# Altium PCB JTAG批量下载板-V1.6-ASCII.PcbDoc (part 7 of 14)
Units mil, origin at the board's own origin, x right, y up, seen from the top; angles counter-clockwise.
Board outline 7947.6 x 7007.76 mil, 2 copper layers (Top Layer, Bottom Layer); 207 components, 340 nets, 1329 pads, 792 vias.
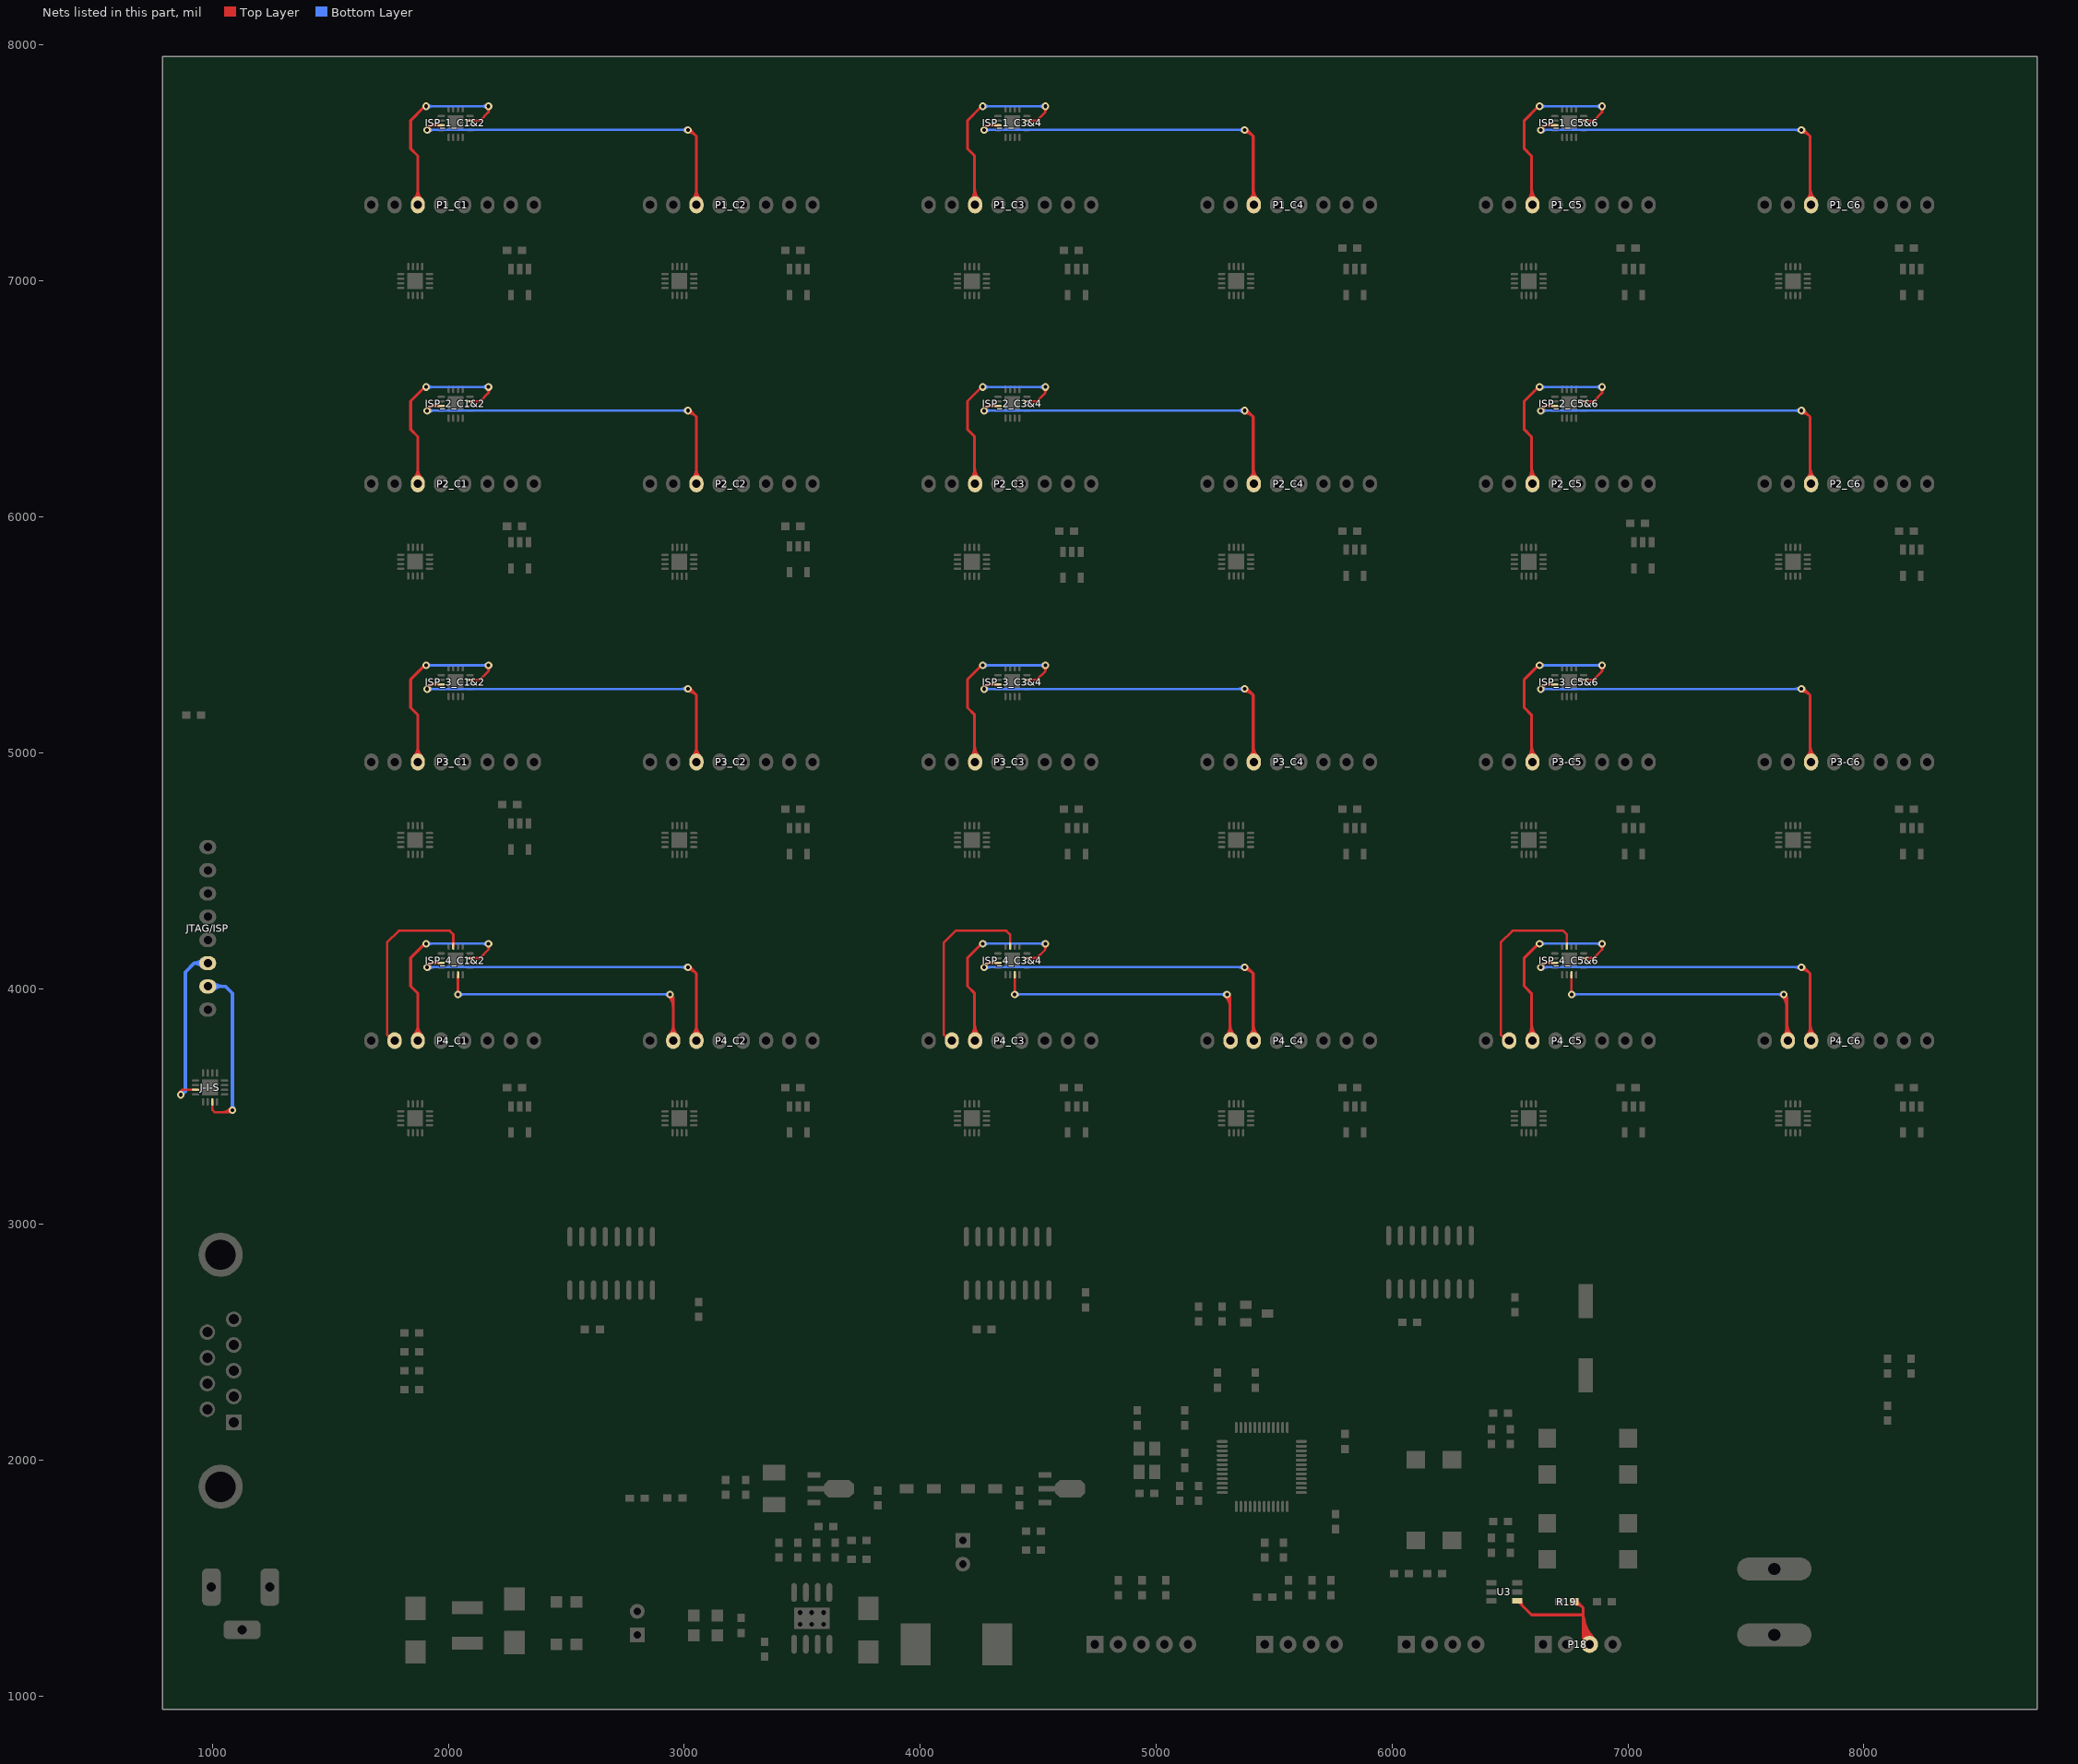
[diagram p7: the nets of this part, all layers, seen from the top]

## Via types
v1: diameter 32, hole 16, Top Layer to Bottom Layer, 721 vias
v2: diameter 50, hole 28, Top Layer to Bottom Layer, 45 vias
v3: diameter 40, hole 20, Top Layer to Bottom Layer, 26 vias

## Nets (pads, with @x,y where several pads share a name; then routed paths per layer and width w, separated by ;. In a path a pad name is that pad's centre, name@x,y a point inside that pad or via, vN(x,y) a via of type N, cw(c..) or ccw(c..) an arc to the next point about the centre after c; other vN are vias at no path point) (continued)
ISP_RXD_4_C1: ISP_4_C1&2.3 P4_C1.7 | length 793
  Top Layer w10: P4_C1.7@1771.65,3772.83 1740,3804.49 1740,4195.55 1790,4245.55 2005,4245.55 2020.63,4229.92 ISP_4_C1&2.3@2020.63,4180.55
ISP_RXD_4_C2: ISP_4_C1&2.11 P4_C2.7 | length 1490.4
  Top Layer w10: v1(2040.32,3975.55) ISP_4_C1&2.11@2040.32,4058.45
  Top Layer w12: v1@2932.93,3968.48 cw(c2885.06,3920.61) 2952.76,3920.61 ; P4_C2.7@2935.79,3802.5 ccw(c2894.81,3843.47) 2952.76,3843.47 ccw(c3010.7,3843.47) P4_C2.7@2969.73,3802.5 ; v1(2940,3975.55) 2952.76,3962.8 P4_C2.7@2952.76,3772.83 ; v1@2941.41,3976.97 cw(c2914.03,3949.58) 2952.76,3949.58
  Bottom Layer w10: v1(2040.32,3975.55) v1(2940,3975.55) ; v1@2932.22,3967.77 ccw(c2913.44,3948.99) 2913.44,3975.55 ccw(c2913.44,4002.11) v1@2932.22,3983.33 ; 2066.87,3975.55 cw(c2066.87,4002.11) 2048.09,3983.33 ccw(c2066.87,4002.11) 2066.87,3975.55 ; 2066.87,3975.55 ccw(c2066.87,3948.99) 2048.09,3967.77 cw(c2066.87,3948.99) 2066.87,3975.55
ISP_RXD_4_C3: ISP_4_C3&4.3 P4_C3.7 | length 793
  Top Layer w10: P4_C3.7@4131.65,3772.83 4100,3804.49 4100,4195.55 4150,4245.55 4365,4245.55 4380.63,4229.92 ISP_4_C3&4.3@4380.63,4180.55
ISP_RXD_4_C4: ISP_4_C3&4.11 P4_C4.7 | length 1519
  Top Layer w10: v1(4400.32,3975.55) ISP_4_C3&4.11@4400.32,4058.45
  Top Layer w12: v1@5292.93,3968.48 cw(c5245.06,3920.61) 5312.76,3920.61 ; P4_C4.7@5297.99,3802.5 ccw(c5262.34,3838.15) 5312.76,3838.15 ; v1(5300,3975.55) 5312.76,3962.8 P4_C4.7@5312.76,3772.83 ; v1@5301.41,3976.97 cw(c5274.03,3949.58) 5312.76,3949.58 ; 5312.76,3819.82 ccw(c5349.25,3819.82) P4_C4.7@5323.45,3794.01 ; 5312.76,3848.79 ccw(c5378.22,3848.79) P4_C4.7@5331.93,3802.5
  Bottom Layer w10: v1(4400.32,3975.55) v1(5300,3975.55) ; v1@5292.22,3967.77 ccw(c5273.44,3948.99) 5273.44,3975.55 ccw(c5273.44,4002.11) v1@5292.22,3983.33 ; 4426.87,3975.55 cw(c4426.87,4002.11) 4408.09,3983.33 ccw(c4426.87,4002.11) 4426.87,3975.55 ; 4426.87,3975.55 ccw(c4426.87,3948.99) 4408.09,3967.77 cw(c4426.87,3948.99) 4426.87,3975.55
ISP_RXD_4_C5: ISP_4_C5&6.3 P4_C5.7 | length 793
  Top Layer w10: P4_C5.7@6491.65,3772.83 6460,3804.49 6460,4195.55 6510,4245.55 6725,4245.55 6740.63,4229.92 ISP_4_C5&6.3@6740.63,4180.55
ISP_RXD_4_C6: ISP_4_C5&6.11 P4_C6.7 | length 1525
  Top Layer w10: v1(6760.32,3975.55) ISP_4_C5&6.11@6760.32,4058.45
  Top Layer w12: v1@7652.93,3968.48 cw(c7605.06,3920.61) 7672.76,3920.61 ; v1(7660,3975.55) 7672.76,3962.8 P4_C6.7@7672.76,3772.83 ; P4_C6.7@7660.19,3802.5 ccw(c7629.87,3832.82) 7672.76,3832.82 ; v1@7661.41,3976.97 cw(c7634.03,3949.58) 7672.76,3949.58 ; 7672.76,3825.14 ccw(c7716.78,3825.14) P4_C6.7@7685.65,3794.01 ; 7672.76,3854.11 ccw(c7745.75,3854.11) P4_C6.7@7694.14,3802.5
  Bottom Layer w10: v1(6760.32,3975.55) v1(7660,3975.55) ; v1@7652.22,3967.77 ccw(c7633.44,3948.99) 7633.44,3975.55 ccw(c7633.44,4002.11) v1@7652.22,3983.33 ; 6786.87,3975.55 cw(c6786.87,4002.11) 6768.09,3983.33 ccw(c6786.87,4002.11) 6786.87,3975.55 ; 6786.87,3975.55 ccw(c6786.87,3948.99) 6768.09,3967.77 cw(c6786.87,3948.99) 6786.87,3975.55
ISP_RXD_DL: J-I-S.3 JTAG/ISP.7 | length 1043.3
  Top Layer w10: J-I-S.3@999.37,3520 999.37,3485.63 1010,3475 1075,3475 v1(1085,3485) ; 1034.3,3475 ccw(c1034.3,3535.7) 1077.22,3492.78 cw(c1034.3,3535.7) 1034.3,3475 ; 1058.44,3475 ccw(c1058.44,3511.56) 1084.29,3485.71 cw(c1058.44,3511.56) 1058.44,3475
  Bottom Layer w15: JTAG/ISP.7@980,4009.45 1055.55,4009.45 1085,3980 v1(1085,3485) ; JTAG/ISP.7@1001.91,3993.54 cw(c1040.32,3955.13) 1040.32,4009.45 cw(c1040.32,4063.77) JTAG/ISP.7@1001.91,4025.36 ; 1085,3505.52 cw(c1064.48,3505.52) 1078.99,3491.01 ccw(c1064.48,3505.52) 1085,3505.52 ; 1085,3505.52 ccw(c1105.52,3505.52) 1091.01,3491.01 cw(c1105.52,3505.52) 1085,3505.52
ISP_TXD: P18.3 R19.1 U3.4 | length 2852.9
  Top Layer w12: U3.4@6530.24,1405.2 6590.43,1345 6810,1345 ; R19.1@6771.5,1400 6785,1400 6810,1375 6810,1246.85 P18.3@6836.85,1220 ; U3.4@6545.89,1405.2 ccw(c6583.68,1405.2) 6556.96,1378.47 ; U3.4@6545.89,1405.2 ccw(c6583.68,1405.2) 6556.96,1378.47 ; U3.4@6545.89,1405.2 ccw(c6583.68,1405.2) 6556.96,1378.47 ; U3.4@6545.89,1405.2 ccw(c6583.68,1405.2) 6556.96,1378.47 ; U3.4@6545.89,1405.2 ccw(c6583.68,1405.2) 6556.96,1378.47 ; R19.1@6773.46,1390.25 cw(c6773.46,1338.87) 6809.8,1375.2 ; R19.1@6773.46,1390.25 cw(c6773.46,1338.87) 6809.8,1375.2 ; R19.1@6773.46,1390.25 cw(c6773.46,1338.87) 6809.8,1375.2 ; R19.1@6773.46,1390.25 cw(c6773.46,1338.87) 6809.8,1375.2 ; R19.1@6773.46,1390.25 cw(c6773.46,1338.87) 6809.8,1375.2 ; R19.1@6773.46,1402.25 cw(c6773.46,1379.84) 6789.31,1395.69 ; R19.1@6773.46,1402.25 cw(c6773.46,1379.84) 6789.31,1395.69 ; R19.1@6773.46,1402.25 cw(c6773.46,1379.84) 6789.31,1395.69 ; R19.1@6773.46,1402.25 cw(c6773.46,1379.84) 6789.31,1395.69 ; R19.1@6773.46,1402.25 cw(c6773.46,1379.84) 6789.31,1395.69 ; 6810,1270.34 ccw(c6887.19,1270.34) P18.3@6832.61,1215.76 ; 6810,1270.34 ccw(c6887.19,1270.34) P18.3@6832.61,1215.76 ; 6810,1270.34 ccw(c6887.19,1270.34) P18.3@6832.61,1215.76 ; 6810,1270.34 ccw(c6887.19,1270.34) P18.3@6832.61,1215.76 ; 6810,1270.34 ccw(c6887.19,1270.34) P18.3@6832.61,1215.76 ; 6810,1299.31 ccw(c6916.16,1299.31) P18.3@6841.09,1224.24 ; 6810,1299.31 ccw(c6916.16,1299.31) P18.3@6841.09,1224.24 ; 6810,1299.31 ccw(c6916.16,1299.31) P18.3@6841.09,1224.24 ; 6810,1299.31 ccw(c6916.16,1299.31) P18.3@6841.09,1224.24 ; 6810,1299.31 ccw(c6916.16,1299.31) P18.3@6841.09,1224.24 ; 6810,1328.28 ccw(c6945.13,1328.28) P18.3@6849.58,1232.73 ; 6810,1328.28 ccw(c6945.13,1328.28) P18.3@6849.58,1232.73 ; 6810,1328.28 ccw(c6945.13,1328.28) P18.3@6849.58,1232.73 ; 6810,1328.28 ccw(c6945.13,1328.28) P18.3@6849.58,1232.73 ; 6810,1328.28 ccw(c6945.13,1328.28) P18.3@6849.58,1232.73 ; 6810,1357.25 ccw(c6974.1,1357.25) P18.3@6858.06,1241.21 ; 6810,1357.25 ccw(c6974.1,1357.25) P18.3@6858.06,1241.21 ; 6810,1357.25 ccw(c6974.1,1357.25) P18.3@6858.06,1241.21 ; 6810,1357.25 ccw(c6974.1,1357.25) P18.3@6858.06,1241.21 ; 6810,1357.25 ccw(c6974.1,1357.25) P18.3@6858.06,1241.21
ISP_TXD_1_C1: ISP_1_C1&2.15 P1_C1.6 | length 1081.9
  Top Layer w10: ISP_1_C1&2.15@2091.5,7679.37 2133.82,7679.37 2170,7715.55 ; v1(2170,7740.55) 2170,7715.55 ; 2170,7715.55 cw(c2192.91,7715.55) 2177.43,7732.44 ccw(c2192.91,7715.55) 2170,7715.55 ; 2170,7715.55 ccw(c2147.09,7715.55) 2162.57,7732.44 cw(c2147.09,7715.55) 2170,7715.55
  Top Layer w12: P1_C1.6@1853.11,7345.81 ccw(c1812.14,7386.78) 1870.08,7386.78 ccw(c1928.02,7386.78) P1_C1.6@1887.05,7345.81 ; P1_C1.6@1870.08,7322.83 1870.08,7530.47 1840,7560.55 1840,7680.55 v1@1895,7735.55
  Bottom Layer w10: v1(1905,7740.55) v1(2170,7740.55) ; v1@1912.78,7732.77 cw(c1931.56,7713.99) 1931.56,7740.55 cw(c1931.56,7767.11) v1@1912.78,7748.33 ; v1@2162.22,7732.77 ccw(c2143.44,7713.99) 2143.44,7740.55 ccw(c2143.44,7767.11) v1@2162.22,7748.33
ISP_TXD_1_C2: ISP_1_C1&2.7 P1_C2.6 | length 1782
  Top Layer w10: v1@1910,7645 1924.68,7659.69 ; ISP_1_C1&2.7@1969.45,7659.69 1924.68,7659.69 ; 1924.68,7659.68 ccw(c1936.41,7647.96) 1920.53,7643.17 cw(c1936.41,7647.96) 1924.68,7659.68 ; v1@1910,7651 ccw(c1910,7665.49) 1920.24,7655.24 cw(c1910,7665.49) v1@1910,7651
  Top Layer w12: v1(1910,7640) v1@1910,7645 ; v1@3015,7630.55 cw(c3015,7582.27) 3049.14,7616.41 ; v1@3020,7645.55 3051.18,7614.37 P1_C2.6@3051.18,7322.83 ; P1_C2.6@3034.21,7345.81 ccw(c2993.24,7386.78) 3051.18,7386.78 ccw(c3109.12,7386.78) P1_C2.6@3068.15,7345.81
  Bottom Layer w10: v1@1910,7640.55 v1(3015,7640.55) ; v1@1917.78,7632.22 cw(c1937.89,7612.11) 1937.89,7640.55 ; v1@1917.78,7647.78 ccw(c1935.23,7665.23) 1935.23,7640.55 ; v1@3007.22,7632.77 ccw(c2988.44,7613.99) 2988.44,7640.55 ccw(c2988.44,7667.11) v1@3007.22,7648.33
ISP_TXD_1_C3: ISP_1_C3&4.15 P1_C3.6 | length 1110.5
  Top Layer w10: ISP_1_C3&4.15@4451.5,7679.37 4493.82,7679.37 4530,7715.55 ; v1(4530,7740.55) 4530,7715.55 ; 4530,7715.55 cw(c4552.91,7715.55) 4537.43,7732.44 ccw(c4552.91,7715.55) 4530,7715.55 ; 4530,7715.55 ccw(c4507.09,7715.55) 4522.57,7732.44 cw(c4507.09,7715.55) 4530,7715.55
  Top Layer w12: P1_C3.6@4215.31,7345.81 ccw(c4179.66,7381.45) 4230.08,7381.45 ; P1_C3.6@4230.08,7322.83 4230.08,7530.47 4200,7560.55 4200,7680.55 v1@4255,7735.55 ; 4230.08,7363.13 ccw(c4266.58,7363.13) P1_C3.6@4240.77,7337.32 ; 4230.08,7392.1 ccw(c4295.55,7392.1) P1_C3.6@4249.25,7345.81
  Bottom Layer w10: v1(4265,7740.55) v1(4530,7740.55) ; v1@4272.78,7732.77 cw(c4291.56,7713.99) 4291.56,7740.55 cw(c4291.56,7767.11) v1@4272.78,7748.33 ; v1@4522.22,7732.77 ccw(c4503.44,7713.99) 4503.44,7740.55 ccw(c4503.44,7767.11) v1@4522.22,7748.33
ISP_TXD_1_C4: ISP_1_C3&4.7 P1_C4.6 | length 1810.7
  Top Layer w10: v1@4270,7645 4284.69,7659.69 ; ISP_1_C3&4.7@4329.45,7659.69 4284.69,7659.69 ; 4284.68,7659.68 ccw(c4296.41,7647.96) 4280.53,7643.17 cw(c4296.41,7647.96) 4284.68,7659.68 ; v1@4270,7651 ccw(c4270,7665.49) 4280.24,7655.24 cw(c4270,7665.49) v1@4270,7651
  Top Layer w12: v1(4270,7640) v1@4270,7645 ; v1@5375,7630.55 cw(c5375,7582.27) 5409.14,7616.41 ; v1@5380,7645.55 5411.18,7614.37 P1_C4.6@5411.18,7322.83 ; P1_C4.6@5396.42,7345.81 ccw(c5360.77,7381.45) 5411.18,7381.45 ; 5411.18,7363.13 ccw(c5447.68,7363.13) P1_C4.6@5421.87,7337.32 ; 5411.18,7392.1 ccw(c5476.65,7392.1) P1_C4.6@5430.36,7345.81
  Bottom Layer w10: v1@4270,7640.55 v1(5375,7640.55) ; v1@4277.78,7632.22 cw(c4297.89,7612.11) 4297.89,7640.55 ; v1@4277.78,7647.78 ccw(c4295.23,7665.23) 4295.23,7640.55 ; v1@5367.22,7632.77 ccw(c5348.44,7613.99) 5348.44,7640.55 ccw(c5348.44,7667.11) v1@5367.22,7648.33
ISP_TXD_1_C5: ISP_1_C5&6.15 P1_C5.6 | length 1116.4
  Top Layer w10: ISP_1_C5&6.15@6811.5,7679.37 6853.82,7679.37 6890,7715.55 ; v1(6890,7740.55) 6890,7715.55 ; 6890,7715.55 cw(c6912.91,7715.55) 6897.43,7732.44 ccw(c6912.91,7715.55) 6890,7715.55 ; 6890,7715.55 ccw(c6867.09,7715.55) 6882.57,7732.44 cw(c6867.09,7715.55) 6890,7715.55
  Top Layer w12: P1_C5.6@6577.52,7345.81 ccw(c6547.19,7376.13) 6590.08,7376.13 ; P1_C5.6@6590.08,7322.83 6590.08,7530.47 6560,7560.55 6560,7680.55 v1@6615,7735.55 ; 6590.08,7368.45 ccw(c6634.1,7368.45) P1_C5.6@6602.97,7337.32 ; 6590.08,7397.42 ccw(c6663.07,7397.42) P1_C5.6@6611.46,7345.81
  Bottom Layer w10: v1(6625,7740.55) v1(6890,7740.55) ; v1@6632.78,7732.77 cw(c6651.56,7713.99) 6651.56,7740.55 cw(c6651.56,7767.11) v1@6632.78,7748.33 ; v1@6882.22,7732.77 ccw(c6863.44,7713.99) 6863.44,7740.55 ccw(c6863.44,7767.11) v1@6882.22,7748.33
ISP_TXD_1_C6: ISP_1_C5&6.7 P1_C6.6 | length 1816.6
  Top Layer w10: v1@6630,7645 6644.69,7659.69 ; ISP_1_C5&6.7@6689.45,7659.69 6644.69,7659.69 ; 6644.68,7659.68 ccw(c6656.41,7647.96) 6640.53,7643.17 cw(c6656.41,7647.96) 6644.68,7659.68 ; v1@6630,7651 ccw(c6630,7665.49) 6640.24,7655.24 cw(c6630,7665.49) v1@6630,7651
  Top Layer w12: v1(6630,7640) v1@6630,7645 ; v1@7735,7630.55 cw(c7735,7582.27) 7769.14,7616.41 ; v1@7740,7645.55 7771.18,7614.37 P1_C6.6@7771.18,7322.83 ; P1_C6.6@7758.62,7345.81 ccw(c7728.29,7376.13) 7771.18,7376.13 ; 7771.18,7368.45 ccw(c7815.21,7368.45) P1_C6.6@7784.08,7337.32 ; 7771.18,7397.42 ccw(c7844.18,7397.42) P1_C6.6@7792.56,7345.81
  Bottom Layer w10: v1@6630,7640.55 v1(7735,7640.55) ; v1@6637.78,7632.22 cw(c6657.89,7612.11) 6657.89,7640.55 ; v1@6637.78,7647.78 ccw(c6655.23,7665.23) 6655.23,7640.55 ; v1@7727.22,7632.77 ccw(c7708.44,7613.99) 7708.44,7640.55 ccw(c7708.44,7667.11) v1@7727.22,7648.33
ISP_TXD_2_C1: ISP_2_C1&2.15 P2_C1.6 | length 1081.9
  Top Layer w10: ISP_2_C1&2.15@2091.5,6489.37 2133.82,6489.37 2170,6525.55 ; v1(2170,6550.55) 2170,6525.55 ; 2170,6525.55 cw(c2192.91,6525.55) 2177.43,6542.44 ccw(c2192.91,6525.55) 2170,6525.55 ; 2170,6525.55 ccw(c2147.09,6525.55) 2162.57,6542.44 cw(c2147.09,6525.55) 2170,6525.55
  Top Layer w12: P2_C1.6@1853.11,6162.97 ccw(c1812.14,6203.94) 1870.08,6203.94 ccw(c1928.02,6203.94) P2_C1.6@1887.05,6162.97 ; P2_C1.6@1870.08,6132.83 1870.08,6340.47 1840,6370.55 1840,6490.55 v1@1895,6545.55
  Bottom Layer w10: v1(1905,6550.55) v1(2170,6550.55) ; v1@1912.78,6542.77 cw(c1931.56,6523.99) 1931.56,6550.55 cw(c1931.56,6577.11) v1@1912.78,6558.33 ; v1@2162.22,6542.77 ccw(c2143.44,6523.99) 2143.44,6550.55 ccw(c2143.44,6577.11) v1@2162.22,6558.33
ISP_TXD_2_C2: ISP_2_C1&2.7 P2_C2.6 | length 1782
  Top Layer w10: v1@1910,6455 1924.68,6469.69 ; ISP_2_C1&2.7@1969.45,6469.69 1924.68,6469.69 ; 1924.68,6469.68 ccw(c1936.41,6457.96) 1920.53,6453.17 cw(c1936.41,6457.96) 1924.68,6469.68 ; v1@1910,6461 ccw(c1910,6475.49) 1920.24,6465.24 cw(c1910,6475.49) v1@1910,6461
  Top Layer w12: v1(1910,6450) v1@1910,6455 ; v1@3015,6440.55 cw(c3015,6392.27) 3049.14,6426.41 ; v1@3020,6455.55 3051.18,6424.37 P2_C2.6@3051.18,6132.83 ; P2_C2.6@3034.21,6162.97 ccw(c2993.24,6203.94) 3051.18,6203.94 ccw(c3109.12,6203.94) P2_C2.6@3068.15,6162.97
  Bottom Layer w10: v1@1910,6450.55 v1(3015,6450.55) ; v1@1917.78,6442.22 cw(c1937.89,6422.11) 1937.89,6450.55 ; v1@1917.78,6457.78 ccw(c1935.23,6475.23) 1935.23,6450.55 ; v1@3007.22,6442.77 ccw(c2988.44,6423.99) 2988.44,6450.55 ccw(c2988.44,6477.11) v1@3007.22,6458.33
ISP_TXD_2_C3: ISP_2_C3&4.15 P2_C3.6 | length 1110.5
  Top Layer w10: ISP_2_C3&4.15@4451.5,6489.37 4493.82,6489.37 4530,6525.55 ; v1(4530,6550.55) 4530,6525.55 ; 4530,6525.55 cw(c4552.91,6525.55) 4537.43,6542.44 ccw(c4552.91,6525.55) 4530,6525.55 ; 4530,6525.55 ccw(c4507.09,6525.55) 4522.57,6542.44 cw(c4507.09,6525.55) 4530,6525.55
  Top Layer w12: P2_C3.6@4215.31,6162.97 ccw(c4179.66,6198.62) 4230.08,6198.62 ; P2_C3.6@4230.08,6132.83 4230.08,6340.47 4200,6370.55 4200,6490.55 v1@4255,6545.55 ; 4230.08,6180.29 ccw(c4266.58,6180.29) P2_C3.6@4240.77,6154.49 ; 4230.08,6209.26 ccw(c4295.55,6209.26) P2_C3.6@4249.25,6162.97
  Bottom Layer w10: v1(4265,6550.55) v1(4530,6550.55) ; v1@4272.78,6542.77 cw(c4291.56,6523.99) 4291.56,6550.55 cw(c4291.56,6577.11) v1@4272.78,6558.33 ; v1@4522.22,6542.77 ccw(c4503.44,6523.99) 4503.44,6550.55 ccw(c4503.44,6577.11) v1@4522.22,6558.33
ISP_TXD_2_C4: ISP_2_C3&4.7 P2_C4.6 | length 1810.7
  Top Layer w10: v1@4270,6455 4284.69,6469.69 ; ISP_2_C3&4.7@4329.45,6469.69 4284.69,6469.69 ; 4284.68,6469.68 ccw(c4296.41,6457.96) 4280.53,6453.17 cw(c4296.41,6457.96) 4284.68,6469.68 ; v1@4270,6461 ccw(c4270,6475.49) 4280.24,6465.24 cw(c4270,6475.49) v1@4270,6461
  Top Layer w12: v1(4270,6450) v1@4270,6455 ; v1@5375,6440.55 cw(c5375,6392.27) 5409.14,6426.41 ; v1@5380,6455.55 5411.18,6424.37 P2_C4.6@5411.18,6132.83 ; P2_C4.6@5396.42,6162.97 ccw(c5360.77,6198.62) 5411.18,6198.62 ; 5411.18,6180.29 ccw(c5447.68,6180.29) P2_C4.6@5421.87,6154.49 ; 5411.18,6209.26 ccw(c5476.65,6209.26) P2_C4.6@5430.36,6162.97
  Bottom Layer w10: v1@4270,6450.55 v1(5375,6450.55) ; v1@4277.78,6442.22 cw(c4297.89,6422.11) 4297.89,6450.55 ; v1@4277.78,6457.78 ccw(c4295.23,6475.23) 4295.23,6450.55 ; v1@5367.22,6442.77 ccw(c5348.44,6423.99) 5348.44,6450.55 ccw(c5348.44,6477.11) v1@5367.22,6458.33
ISP_TXD_2_C5: ISP_2_C5&6.15 P2_C5.6 | length 1116.4
  Top Layer w10: ISP_2_C5&6.15@6811.5,6489.37 6853.82,6489.37 6890,6525.55 ; v1(6890,6550.55) 6890,6525.55 ; 6890,6525.55 cw(c6912.91,6525.55) 6897.43,6542.44 ccw(c6912.91,6525.55) 6890,6525.55 ; 6890,6525.55 ccw(c6867.09,6525.55) 6882.57,6542.44 cw(c6867.09,6525.55) 6890,6525.55
  Top Layer w12: P2_C5.6@6577.52,6162.97 ccw(c6547.19,6193.3) 6590.08,6193.3 ; P2_C5.6@6590.08,6132.83 6590.08,6340.47 6560,6370.55 6560,6490.55 v1@6615,6545.55 ; 6590.08,6185.62 ccw(c6634.1,6185.62) P2_C5.6@6602.97,6154.49 ; 6590.08,6214.59 ccw(c6663.07,6214.59) P2_C5.6@6611.46,6162.97
  Bottom Layer w10: v1(6625,6550.55) v1(6890,6550.55) ; v1@6632.78,6542.77 cw(c6651.56,6523.99) 6651.56,6550.55 cw(c6651.56,6577.11) v1@6632.78,6558.33 ; v1@6882.22,6542.77 ccw(c6863.44,6523.99) 6863.44,6550.55 ccw(c6863.44,6577.11) v1@6882.22,6558.33
ISP_TXD_2_C6: ISP_2_C5&6.7 P2_C6.6 | length 1816.6
  Top Layer w10: v1@6630,6455 6644.69,6469.69 ; ISP_2_C5&6.7@6689.45,6469.69 6644.69,6469.69 ; 6644.68,6469.68 ccw(c6656.41,6457.96) 6640.53,6453.17 cw(c6656.41,6457.96) 6644.68,6469.68 ; v1@6630,6461 ccw(c6630,6475.49) 6640.24,6465.24 cw(c6630,6475.49) v1@6630,6461
  Top Layer w12: v1(6630,6450) v1@6630,6455 ; v1@7735,6440.55 cw(c7735,6392.27) 7769.14,6426.41 ; v1@7740,6455.55 7771.18,6424.37 P2_C6.6@7771.18,6132.83 ; P2_C6.6@7758.62,6162.97 ccw(c7728.29,6193.3) 7771.18,6193.3 ; 7771.18,6185.62 ccw(c7815.21,6185.62) P2_C6.6@7784.08,6154.49 ; 7771.18,6214.59 ccw(c7844.18,6214.59) P2_C6.6@7792.56,6162.97
  Bottom Layer w10: v1@6630,6450.55 v1(7735,6450.55) ; v1@6637.78,6442.22 cw(c6657.89,6422.11) 6657.89,6450.55 ; v1@6637.78,6457.78 ccw(c6655.23,6475.23) 6655.23,6450.55 ; v1@7727.22,6442.77 ccw(c7708.44,6423.99) 7708.44,6450.55 ccw(c7708.44,6477.11) v1@7727.22,6458.33
ISP_TXD_3_C1: ISP_3_C1&2.15 P3_C1.6 | length 1081.9
  Top Layer w10: ISP_3_C1&2.15@2091.5,5309.37 2133.82,5309.37 2170,5345.55 ; v1(2170,5370.55) 2170,5345.55 ; 2170,5345.55 cw(c2192.91,5345.55) 2177.43,5362.44 ccw(c2192.91,5345.55) 2170,5345.55 ; 2170,5345.55 ccw(c2147.09,5345.55) 2162.57,5362.44 cw(c2147.09,5345.55) 2170,5345.55
  Top Layer w12: P3_C1.6@1853.11,4983.6 ccw(c1812.14,5024.57) 1870.08,5024.57 ccw(c1928.02,5024.57) P3_C1.6@1887.05,4983.6 ; P3_C1.6@1870.08,4952.83 1870.08,5160.47 1840,5190.55 1840,5310.55 v1@1895,5365.55
  Bottom Layer w10: v1(1905,5370.55) v1(2170,5370.55) ; v1@1912.78,5362.77 cw(c1931.56,5343.99) 1931.56,5370.55 cw(c1931.56,5397.11) v1@1912.78,5378.33 ; v1@2162.22,5362.77 ccw(c2143.44,5343.99) 2143.44,5370.55 ccw(c2143.44,5397.11) v1@2162.22,5378.33
ISP_TXD_3_C2: ISP_3_C1&2.7 P3_C2.6 | length 1782
  Top Layer w10: v1@1910,5275 1924.68,5289.69 ; ISP_3_C1&2.7@1969.45,5289.69 1924.68,5289.69 ; 1924.68,5289.68 ccw(c1936.41,5277.96) 1920.53,5273.17 cw(c1936.41,5277.96) 1924.68,5289.68 ; v1@1910,5281 ccw(c1910,5295.49) 1920.24,5285.24 cw(c1910,5295.49) v1@1910,5281
  Top Layer w12: v1(1910,5270) v1@1910,5275 ; v1@3015,5260.55 cw(c3015,5212.27) 3049.14,5246.41 ; v1@3020,5275.55 3051.18,5244.37 P3_C2.6@3051.18,4952.83 ; P3_C2.6@3034.21,4983.6 ccw(c2993.24,5024.57) 3051.18,5024.57 ccw(c3109.12,5024.57) P3_C2.6@3068.15,4983.6
  Bottom Layer w10: v1@1910,5270.55 v1(3015,5270.55) ; v1@1917.78,5262.22 cw(c1937.89,5242.11) 1937.89,5270.55 ; v1@1917.78,5277.78 ccw(c1935.23,5295.23) 1935.23,5270.55 ; v1@3007.22,5262.77 ccw(c2988.44,5243.99) 2988.44,5270.55 ccw(c2988.44,5297.11) v1@3007.22,5278.33
ISP_TXD_3_C3: ISP_3_C3&4.15 P3_C3.6 | length 1110.5
  Top Layer w10: ISP_3_C3&4.15@4451.5,5309.37 4493.82,5309.37 4530,5345.55 ; v1(4530,5370.55) 4530,5345.55 ; 4530,5345.55 cw(c4552.91,5345.55) 4537.43,5362.44 ccw(c4552.91,5345.55) 4530,5345.55 ; 4530,5345.55 ccw(c4507.09,5345.55) 4522.57,5362.44 cw(c4507.09,5345.55) 4530,5345.55
  Top Layer w12: P3_C3.6@4215.31,4983.6 ccw(c4179.66,5019.25) 4230.08,5019.25 ; P3_C3.6@4230.08,4952.83 4230.08,5160.47 4200,5190.55 4200,5310.55 v1@4255,5365.55 ; 4230.08,5000.92 ccw(c4266.58,5000.92) P3_C3.6@4240.77,4975.12 ; 4230.08,5029.89 ccw(c4295.55,5029.89) P3_C3.6@4249.25,4983.6
  Bottom Layer w10: v1(4265,5370.55) v1(4530,5370.55) ; v1@4272.78,5362.77 cw(c4291.56,5343.99) 4291.56,5370.55 cw(c4291.56,5397.11) v1@4272.78,5378.33 ; v1@4522.22,5362.77 ccw(c4503.44,5343.99) 4503.44,5370.55 ccw(c4503.44,5397.11) v1@4522.22,5378.33
ISP_TXD_3_C4: ISP_3_C3&4.7 P3_C4.6 | length 1810.7
  Top Layer w10: v1@4270,5275 4284.69,5289.69 ; ISP_3_C3&4.7@4329.45,5289.69 4284.69,5289.69 ; 4284.68,5289.68 ccw(c4296.41,5277.96) 4280.53,5273.17 cw(c4296.41,5277.96) 4284.68,5289.68 ; v1@4270,5281 ccw(c4270,5295.49) 4280.24,5285.24 cw(c4270,5295.49) v1@4270,5281
  Top Layer w12: v1(4270,5270) v1@4270,5275 ; v1@5375,5260.55 cw(c5375,5212.27) 5409.14,5246.41 ; v1@5380,5275.55 5411.18,5244.37 P3_C4.6@5411.18,4952.83 ; P3_C4.6@5396.42,4983.6 ccw(c5360.77,5019.25) 5411.18,5019.25 ; 5411.18,5000.92 ccw(c5447.68,5000.92) P3_C4.6@5421.87,4975.12 ; 5411.18,5029.89 ccw(c5476.65,5029.89) P3_C4.6@5430.36,4983.6
  Bottom Layer w10: v1@4270,5270.55 v1(5375,5270.55) ; v1@4277.78,5262.22 cw(c4297.89,5242.11) 4297.89,5270.55 ; v1@4277.78,5277.78 ccw(c4295.23,5295.23) 4295.23,5270.55 ; v1@5367.22,5262.77 ccw(c5348.44,5243.99) 5348.44,5270.55 ccw(c5348.44,5297.11) v1@5367.22,5278.33
ISP_TXD_3_C5: ISP_3_C5&6.15 P3-C5.6 | length 1116.4
  Top Layer w10: ISP_3_C5&6.15@6811.5,5309.37 6853.82,5309.37 6890,5345.55 ; v1(6890,5370.55) 6890,5345.55 ; 6890,5345.55 cw(c6912.91,5345.55) 6897.43,5362.44 ccw(c6912.91,5345.55) 6890,5345.55 ; 6890,5345.55 ccw(c6867.09,5345.55) 6882.57,5362.44 cw(c6867.09,5345.55) 6890,5345.55
  Top Layer w12: P3-C5.6@6577.52,4983.6 ccw(c6547.19,5013.93) 6590.08,5013.93 ; P3-C5.6@6590.08,4952.83 6590.08,5160.47 6560,5190.55 6560,5310.55 v1@6615,5365.55 ; 6590.08,5006.25 ccw(c6634.1,5006.25) P3-C5.6@6602.97,4975.12 ; 6590.08,5035.22 ccw(c6663.07,5035.22) P3-C5.6@6611.46,4983.6
  Bottom Layer w10: v1(6625,5370.55) v1(6890,5370.55) ; v1@6632.78,5362.77 cw(c6651.56,5343.99) 6651.56,5370.55 cw(c6651.56,5397.11) v1@6632.78,5378.33 ; v1@6882.22,5362.77 ccw(c6863.44,5343.99) 6863.44,5370.55 ccw(c6863.44,5397.11) v1@6882.22,5378.33
ISP_TXD_3_C6: ISP_3_C5&6.7 P3-C6.6 | length 1816.6
  Top Layer w10: v1@6630,5275 6644.69,5289.69 ; ISP_3_C5&6.7@6689.45,5289.69 6644.69,5289.69 ; 6644.68,5289.68 ccw(c6656.41,5277.96) 6640.53,5273.17 cw(c6656.41,5277.96) 6644.68,5289.68 ; v1@6630,5281 ccw(c6630,5295.49) 6640.24,5285.24 cw(c6630,5295.49) v1@6630,5281
  Top Layer w12: v1(6630,5270) v1@6630,5275 ; v1@7735,5260.55 cw(c7735,5212.27) 7769.14,5246.41 ; v1@7740,5275.55 7771.18,5244.37 P3-C6.6@7771.18,4952.83 ; P3-C6.6@7758.62,4983.6 ccw(c7728.29,5013.93) 7771.18,5013.93 ; 7771.18,5006.25 ccw(c7815.21,5006.25) P3-C6.6@7784.08,4975.12 ; 7771.18,5035.22 ccw(c7844.18,5035.22) P3-C6.6@7792.56,4983.6
  Bottom Layer w10: v1@6630,5270.55 v1(7735,5270.55) ; v1@6637.78,5262.22 cw(c6657.89,5242.11) 6657.89,5270.55 ; v1@6637.78,5277.78 ccw(c6655.23,5295.23) 6655.23,5270.55 ; v1@7727.22,5262.77 ccw(c7708.44,5243.99) 7708.44,5270.55 ccw(c7708.44,5297.11) v1@7727.22,5278.33
ISP_TXD_4_C1: ISP_4_C1&2.15 P4_C1.6 | length 1081.9
  Top Layer w10: ISP_4_C1&2.15@2091.5,4129.37 2133.82,4129.37 2170,4165.55 ; v1(2170,4190.55) 2170,4165.55 ; 2170,4165.55 cw(c2192.91,4165.55) 2177.43,4182.44 ccw(c2192.91,4165.55) 2170,4165.55 ; 2170,4165.55 ccw(c2147.09,4165.55) 2162.57,4182.44 cw(c2147.09,4165.55) 2170,4165.55
  Top Layer w12: P4_C1.6@1853.11,3802.5 ccw(c1812.14,3843.47) 1870.08,3843.47 ccw(c1928.02,3843.47) P4_C1.6@1887.05,3802.5 ; P4_C1.6@1870.08,3772.83 1870.08,3980.47 1840,4010.55 1840,4130.55 v1@1895,4185.55
  Bottom Layer w10: v1(1905,4190.55) v1(2170,4190.55) ; v1@1912.78,4182.77 cw(c1931.56,4163.99) 1931.56,4190.55 cw(c1931.56,4217.11) v1@1912.78,4198.33 ; v1@2162.22,4182.77 ccw(c2143.44,4163.99) 2143.44,4190.55 ccw(c2143.44,4217.11) v1@2162.22,4198.33
ISP_TXD_4_C2: ISP_4_C1&2.7 P4_C2.6 | length 1782
  Top Layer w10: v1@1910,4095 1924.68,4109.69 ; ISP_4_C1&2.7@1969.45,4109.69 1924.68,4109.69 ; 1924.68,4109.68 ccw(c1936.41,4097.96) 1920.53,4093.17 cw(c1936.41,4097.96) 1924.68,4109.68 ; v1@1910,4101 ccw(c1910,4115.49) 1920.24,4105.24 cw(c1910,4115.49) v1@1910,4101
  Top Layer w12: v1(1910,4090) v1@1910,4095 ; v1@3015,4080.55 cw(c3015,4032.27) 3049.14,4066.41 ; v1@3020,4095.55 3051.18,4064.37 P4_C2.6@3051.18,3772.83 ; P4_C2.6@3034.21,3802.5 ccw(c2993.24,3843.47) 3051.18,3843.47 ccw(c3109.12,3843.47) P4_C2.6@3068.15,3802.5
  Bottom Layer w10: v1@1910,4090.55 v1(3015,4090.55) ; v1@1917.78,4082.22 cw(c1937.89,4062.11) 1937.89,4090.55 ; v1@1917.78,4097.78 ccw(c1935.23,4115.23) 1935.23,4090.55 ; v1@3007.22,4082.77 ccw(c2988.44,4063.99) 2988.44,4090.55 ccw(c2988.44,4117.11) v1@3007.22,4098.33
ISP_TXD_4_C3: ISP_4_C3&4.15 P4_C3.6 | length 1110.5
  Top Layer w10: ISP_4_C3&4.15@4451.5,4129.37 4493.82,4129.37 4530,4165.55 ; v1(4530,4190.55) 4530,4165.55 ; 4530,4165.55 cw(c4552.91,4165.55) 4537.43,4182.44 ccw(c4552.91,4165.55) 4530,4165.55 ; 4530,4165.55 ccw(c4507.09,4165.55) 4522.57,4182.44 cw(c4507.09,4165.55) 4530,4165.55
  Top Layer w12: P4_C3.6@4215.31,3802.5 ccw(c4179.66,3838.15) 4230.08,3838.15 ; P4_C3.6@4230.08,3772.83 4230.08,3980.47 4200,4010.55 4200,4130.55 v1@4255,4185.55 ; 4230.08,3819.82 ccw(c4266.58,3819.82) P4_C3.6@4240.77,3794.01 ; 4230.08,3848.79 ccw(c4295.55,3848.79) P4_C3.6@4249.25,3802.5
  Bottom Layer w10: v1(4265,4190.55) v1(4530,4190.55) ; v1@4272.78,4182.77 cw(c4291.56,4163.99) 4291.56,4190.55 cw(c4291.56,4217.11) v1@4272.78,4198.33 ; v1@4522.22,4182.77 ccw(c4503.44,4163.99) 4503.44,4190.55 ccw(c4503.44,4217.11) v1@4522.22,4198.33
ISP_TXD_4_C4: ISP_4_C3&4.7 P4_C4.6 | length 1810.7
  Top Layer w10: v1@4270,4095 4284.69,4109.69 ; ISP_4_C3&4.7@4329.45,4109.69 4284.69,4109.69 ; 4284.68,4109.68 ccw(c4296.41,4097.96) 4280.53,4093.17 cw(c4296.41,4097.96) 4284.68,4109.68 ; v1@4270,4101 ccw(c4270,4115.49) 4280.24,4105.24 cw(c4270,4115.49) v1@4270,4101
  Top Layer w12: v1(4270,4090) v1@4270,4095 ; v1@5375,4080.55 cw(c5375,4032.27) 5409.14,4066.41 ; v1@5380,4095.55 5411.18,4064.37 P4_C4.6@5411.18,3772.83 ; P4_C4.6@5396.42,3802.5 ccw(c5360.77,3838.15) 5411.18,3838.15 ; 5411.18,3819.82 ccw(c5447.68,3819.82) P4_C4.6@5421.87,3794.01 ; 5411.18,3848.79 ccw(c5476.65,3848.79) P4_C4.6@5430.36,3802.5
  Bottom Layer w10: v1@4270,4090.55 v1(5375,4090.55) ; v1@4277.78,4082.22 cw(c4297.89,4062.11) 4297.89,4090.55 ; v1@4277.78,4097.78 ccw(c4295.23,4115.23) 4295.23,4090.55 ; v1@5367.22,4082.77 ccw(c5348.44,4063.99) 5348.44,4090.55 ccw(c5348.44,4117.11) v1@5367.22,4098.33
ISP_TXD_4_C5: ISP_4_C5&6.15 P4_C5.6 | length 1116.4
  Top Layer w10: ISP_4_C5&6.15@6811.5,4129.37 6853.82,4129.37 6890,4165.55 ; v1(6890,4190.55) 6890,4165.55 ; 6890,4165.55 cw(c6912.91,4165.55) 6897.43,4182.44 ccw(c6912.91,4165.55) 6890,4165.55 ; 6890,4165.55 ccw(c6867.09,4165.55) 6882.57,4182.44 cw(c6867.09,4165.55) 6890,4165.55
  Top Layer w12: P4_C5.6@6577.52,3802.5 ccw(c6547.19,3832.82) 6590.08,3832.82 ; P4_C5.6@6590.08,3772.83 6590.08,3980.47 6560,4010.55 6560,4130.55 v1@6615,4185.55 ; 6590.08,3825.14 ccw(c6634.1,3825.14) P4_C5.6@6602.97,3794.01 ; 6590.08,3854.11 ccw(c6663.07,3854.11) P4_C5.6@6611.46,3802.5
  Bottom Layer w10: v1(6625,4190.55) v1(6890,4190.55) ; v1@6632.78,4182.77 cw(c6651.56,4163.99) 6651.56,4190.55 cw(c6651.56,4217.11) v1@6632.78,4198.33 ; v1@6882.22,4182.77 ccw(c6863.44,4163.99) 6863.44,4190.55 ccw(c6863.44,4217.11) v1@6882.22,4198.33
ISP_TXD_4_C6: ISP_4_C5&6.7 P4_C6.6 | length 1816.6
  Top Layer w10: v1@6630,4095 6644.69,4109.69 ; ISP_4_C5&6.7@6689.45,4109.69 6644.69,4109.69 ; 6644.68,4109.68 ccw(c6656.41,4097.96) 6640.53,4093.17 cw(c6656.41,4097.96) 6644.68,4109.68 ; v1@6630,4101 ccw(c6630,4115.49) 6640.24,4105.24 cw(c6630,4115.49) v1@6630,4101
  Top Layer w12: v1(6630,4090) v1@6630,4095 ; v1@7735,4080.55 cw(c7735,4032.27) 7769.14,4066.41 ; v1@7740,4095.55 7771.18,4064.37 P4_C6.6@7771.18,3772.83 ; P4_C6.6@7758.62,3802.5 ccw(c7728.29,3832.82) 7771.18,3832.82 ; 7771.18,3825.14 ccw(c7815.21,3825.14) P4_C6.6@7784.08,3794.01 ; 7771.18,3854.11 ccw(c7844.18,3854.11) P4_C6.6@7792.56,3802.5
  Bottom Layer w10: v1@6630,4090.55 v1(7735,4090.55) ; v1@6637.78,4082.22 cw(c6657.89,4062.11) 6657.89,4090.55 ; v1@6637.78,4097.78 ccw(c6655.23,4115.23) 6655.23,4090.55 ; v1@7727.22,4082.77 ccw(c7708.44,4063.99) 7708.44,4090.55 ccw(c7708.44,4117.11) v1@7727.22,4098.33
ISP_TXD_DL: J-I-S.15 JTAG/ISP.6 | length 834.3
  Top Layer w10: v1@860,3560 871.18,3571.18 J-I-S.15@928.5,3571.18
  Bottom Layer w15: v1(865,3550) 870,3550 885,3565 ; JTAG/ISP.6@957.41,4092.68 ccw(c922.88,4061.04) 922.88,4107.87 ccw(c922.88,4154.7) JTAG/ISP.6@957.41,4123.07 ; JTAG/ISP.6@980,4107.87 922.87,4107.87 885,4070 885,3565 ; 885,3565 cw(c868.76,3581.24) 866.02,3558.44 ccw(c868.76,3581.24) 885,3565